# Allegro board CHIP_v1_0_20151123.brd (continued)
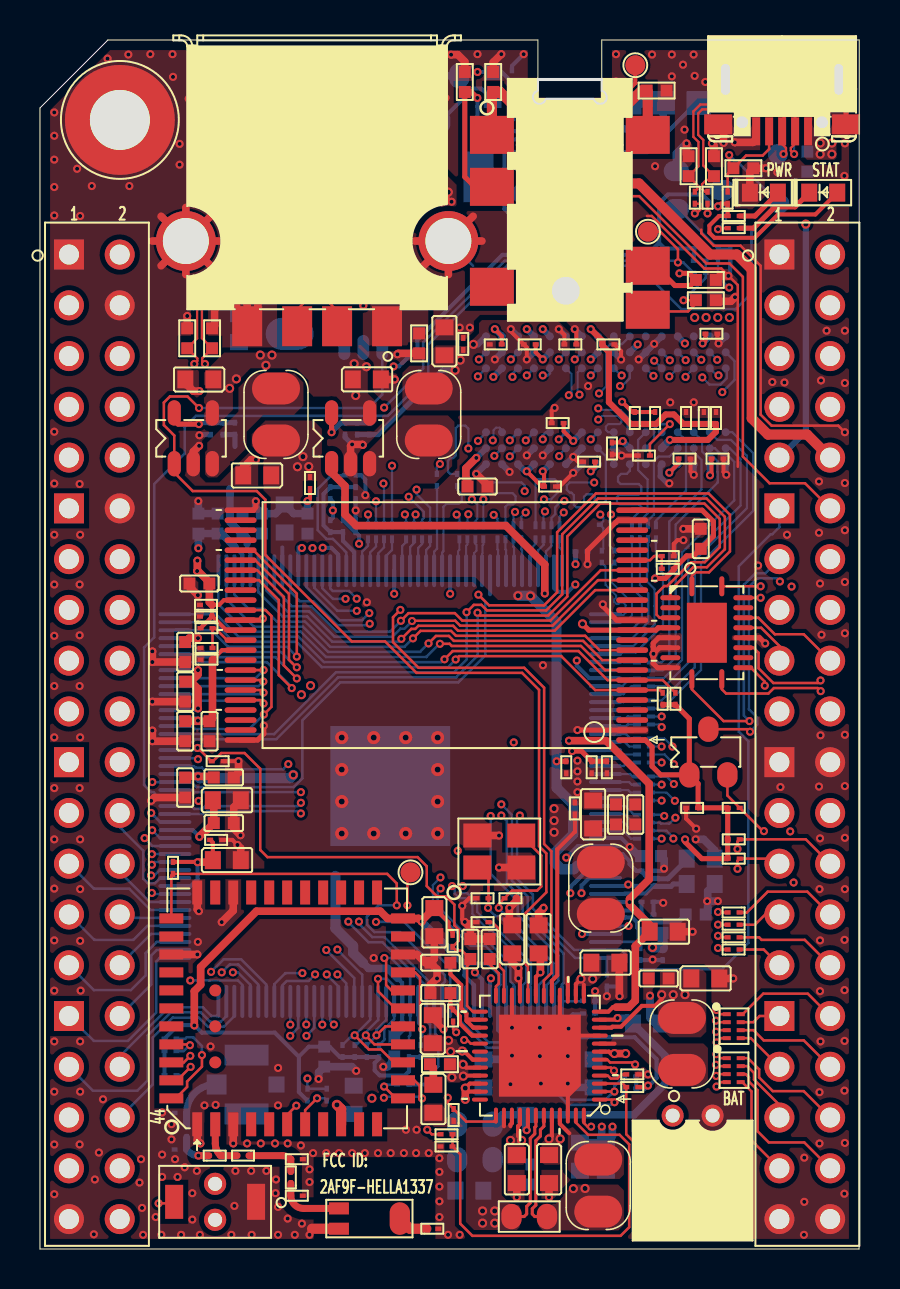
[diagram p0: board, top side]
## Footprints (pads in the part's own frame, mm; a bottom-side part is the same pattern mirrored in y, then rotated) (continued)
  rect 6x6 smd: 177(0,0)
TSOP-48H1_2A
  oval 0.28x1.6 smd: 1(-5.75,-9.8) 2(-5.25,-9.8) 3(-4.75,-9.8) 4(-4.25,-9.8) 5(-3.75,-9.8) 6(-3.25,-9.8) 7(-2.75,-9.8) 8(-2.25,-9.8) 9(-1.75,-9.8) 10(-1.25,-9.8) 11(-0.75,-9.8) 12(-0.25,-9.8) 13(0.25,-9.8) 14(0.75,-9.8) 15(1.25,-9.8) 16(1.75,-9.8) 17(2.25,-9.8) 18(2.75,-9.8) 19(3.25,-9.8) 20(3.75,-9.8) 21(4.25,-9.8) 22(4.75,-9.8) 23(5.25,-9.8) 24(5.75,-9.8) 25(5.75,9.8) 26(5.25,9.8) 27(4.75,9.8) 28(4.25,9.8) 29(3.75,9.8) 30(3.25,9.8) 31(2.75,9.8) 32(2.25,9.8) 33(1.75,9.8) 34(1.25,9.8) 35(0.75,9.8) 36(0.25,9.8) 37(-0.25,9.8) 38(-0.75,9.8) 39(-1.25,9.8) 40(-1.75,9.8) 41(-2.25,9.8) 42(-2.75,9.8) 43(-3.25,9.8) 44(-3.75,9.8) 45(-4.25,9.8) 46(-4.75,9.8) 47(-5.25,9.8) 48(-5.75,9.8)
USB-MIC-A01SB141BH2_4A
  round 0.6 hole 0.6 unplated: (-2,-4.3) (2,-4.3)
  rect 0.4x1.4 smd: 1(1.3,-4.75) 2(0.65,-4.75) 3(0,-4.75) 4(-0.65,-4.75) 5(-1.3,-4.75)
  oval 0.95x2.1 hole 0.45x1.55: 8(-2.835,-2.15) 9(2.835,-2.15)
  rect 1.4x1 smd: 10(-3.2,-4.4) 11(3.2,-4.4)
  rect 1.9x1.9 smd: 12(-1.2,-2.15) 13(1.2,-2.15)
USB_AF-011Z_45H5_2A
  rect 1.5x2 smd: 1(3.5,-14) 2(1,-14) 3(-1,-14) 4(-3.5,-14)
  round 3 hole 2.3: 5(-6.57,-9.737) 6(6.57,-9.737)
WIFI-1206
  rect 1x0.6 smd: 1(-1.524,0.508) 2(-1.524,-0.508)
  oval 1.016x1.626 smd: 3(1.524,0)
WIFI-ANT-SD73412-011H1_3A
  rect 1x1 smd: 1(0,-1.5)
  rect 0.8x0.8 smd: 2(0,1.5)
  rect 1.05x2.2 smd: 3(1.475,0) 4(-1.475,0)

## Nets
AVCC: C25.1 U1.81(AVCC) U3.12(LDO2) U4.1(EN)
GND: ANT1.2 ANT2.3 ANT2.4 C1.1 C5.1 C10.2 C11.2 C12.2 C13.1 C14.2 C15.2 C16.2 C17.2 C18.2 C19.2 C20.2 C21.2 C22.1 C24.2 C25.2 C26.1 C27.1 C28.1 C29.2 C32.2 C33.1 C34.1 C35.1 C36.1 C37.1 C45.1 C47.2 C48.2 C49.1 C50.2 C51.2 C52.2 C55.1 C56.1 C58.1 C59.1 C60.2 C64.1 C65.1 C66.1 C68.2 C69.2 C70.2 C71.2 C72.2 C74.2 C75.2 C76.2 C77.2 C83.1 C84.2 C90.2 C91.2 C92.2 C93.2 C94.2 C95.2 C96.2 C102.2 C103.2 C104.2 C105.2 C106.2 C142.1 C145.1 C146.2 C148.2 C149.2 C150.2 C151.2 C152.1 C153.2 C154.2 C157.2 C158.1 C159.1 C160.1 C161.1 C165.1 C166.1 C167.1 C168.1 C169.1 C170.1 C172.1 C173.1 C174.1 C175.1 C176.1 C177.1 C178.2 C179.2 C180.2 C181.2 C182.2 C183.2 C184.2 C185.2 C186.2 C188.1 C189.1 C190.1 C191.1 C192.1 C193.1 C194.1 C295.1 C296.2 C297.1 C298.1 C299.2 D1.2(CATHODE) D18.1 ESD11.2(CATHODE) ESD12.2(CATHODE) ESD13.2(CATHODE) ESD14.2(CATHODE) ESD15.2(CATHODE) ESD16.2(CATHODE) ESD18.2(CATHODE) ESD33.1(ANODE) ESD34.1(ANODE) ESD35.1(ANODE) ESD36.1(ANODE) ESD37.1(ANODE) ESD38.2(CATHODE) J1.2 J4.5(GND) J4.8(SHIELD3) J4.9(SHIELD4) J4.10(SHIELD5) J4.11(SHIELD6) J4.12 J4.13 J5.4(GND) J5.5(SHIELD6) J5.6(SHIELD1) NSR5.2 OR4.1 Q4.2(E) R12.1 R13.1 R14.1 R20.2 R57.1 R60.2 R71.1 R74.1 R75.1 R78.1 R90.1 R91.1 R94.1 R105.2 R121.1 R122.1 SW1.1 TP3.1(TP) U1.79(AGND) U1.177(GND) U3.9(PGND2) U3.16(PGND3) U3.22(AGND) U3.46(PGND1) U3.49(THERMAL) U4.2(GND) U9.1(GND1) U9.3(GND2) U9.20(GND3) U9.31(GND4) U9.33(GND5) U9.36(GND6) U10.2(GND) U11.2(GND) U12.2(GND) U13.1 U13.4 U13.12 U13.39 U14.1 U14.21 U14.22 U14.39 U14.40 U15.2(GND) U27.6(A0) U27.7(A1) U27.9(A2) U27.15(GND) U29.A9(VSS#9) U29.B1(VSSQ#1) U29.B3(VSS#6) U29.B9(VSSQ#7) U29.D1(VSSQ#2) U29.D8(VSSQ#5) U29.E1(VSS#1) U29.E2(VSSQ#4) U29.E8(VSSQ#6) U29.F9(VSSQ#8) U29.G1(VSSQ#3) U29.G8(VSS#7) U29.G9(VSSQ#9) U29.J2(VSS#5) U29.J8(VSS#8) U29.L2(CS#) U29.M1(VSS#2) U29.M9(VSS#10) U29.P1(VSS#3) U29.P9(VSS#11) U29.T1(VSS#4) U29.T9(VSS#12) U30.2(NC2) U30.13(VSS1) U30.23(NC8) U30.25(NC10) U30.36(VSS2) U30.48(NC22) X1.2(GND#2) X1.4(GND#4)
VBAT-EXT: C9.1 C11.1 L2.1 R7.2 R80.2 U3.43(CHSENSE)
VCC-1V8: C76.1 U3.19(GPIO0/LDO) U13.7
VCC-5V: C77.1 C146.1 D16.2 R54.2 U10.5(IN) U13.3 U14.2 U15.5(IN)
VCC-WIFI: C45.2 R80.1 R81.1 U9.9(VBAT)
VINT: C24.1 U3.26(VINT) U3.27(LDO1SET)
A0: RN27.8(R8) U29.N3(A0)
A1: RN25.6(R6) U29.P7(A1)
A2: RN28.6(R6) U29.P3(A2)
A3: RN28.5(R5) U29.N2(A3)
A4: RN25.5(R5) U29.P8(A4)
A5: RN28.7(R7) U29.P2(A5)
A6: RN25.7(R7) U29.R8(A6)
A7: RN29.7(R7) U29.R2(A7)
A8: RN25.8(R8) U29.T8(A8)
A9: RN29.5(R5) U29.R3(A9)
A10: RN24.6(R6) U29.L7(A10)
A11: RN26.5(R5) U29.R7(A11)
A12: RN24.8(R8) U29.N7(A12)
A13: RN28.8(R8) U29.T3(A13)
A14: RN26.6(R6) U29.T7(A14)
AP-EINT1: U1.154(PG1) U14.23
AP-EINT2: R63.2 R87.1 U1.155(PG0) U27.1(INT)
AP-EINT3: R62.2 U1.150(PB3) U14.24
AP-UART1-CTS: R58.2 U1.14(PG11) U9.41(UART_RTS_N)
AP-UART1-RTS: R59.2 U1.15(PG12) U9.44(UART_CTS_N)
AP-UART1-RX: R55.2 U1.13(PG10) U9.42(UART_TXD)
AP-UART1-TX: R56.2 U1.12(PG9) U9.43(UART_RXD)
AP-WAKE-BT: R11.1 U3.3(GPIO3) U9.6(BT_WAKE)
BA0: RN27.7(R7) U29.M2(BA0)
BA1: RN24.7(R7) U29.N8(BA1)
BA2: RN27.6(R6) U29.M3(BA2)
BAT: C9.2 C12.1 C27.2 ESD38.1(ANODE) J1.1 R7.1 U3.38(BAT1) U3.39(BAT2) U3.42(BATSENSE) U13.8
BT-RST-N: R65.1 U1.104(PB4) U9.34(BT_RST_N)
CAS: RN26.8(R8) U29.K3(CAS#)
CHG-IN: R9.2 U3.32(ACIN1) U3.33(ACIN2) U13.2
CKE: RN24.5(R5) U29.K9(CKE)
COREVDD: C19.1 C20.1 C149.1 C150.1 C153.1 C154.1 C296.1 C299.1 L4.1 U1.35(VDD1_INT) U1.73(VDD2_INT) U1.98(VDD3_INT) U1.109(VDD4_INT) U1.149(VDD5_INT) U3.17(DCDC3)
CPUVDD: C14.1 C15.1 C178.1 C179.1 C180.1 C181.1 C182.1 C183.1 C184.1 C185.1 C186.1 L3.1 U1.4(VDD1_CPU) U1.9(VDD2_CPU) U1.11(VDD3_CPU) U1.16(VDD4_CPU) U1.156(VDD5_CPU) U1.164(VDD6_CPU) U1.169(VDD7_CPU) U1.173(VDD8_CPU) U3.10(DCDC2)
CSI-D0: RN1.2(R2) U1.118(PE4)
CSI-D1: RN1.1(R1) U1.119(PE5)
CSI-D2: RN1.4(R4) U1.120(PE6)
CSI-D3: RN1.3(R3) U1.121(PE7)
CSI-D4: RN2.2(R2) U1.122(PE8)
CSI-D5: RN2.1(R1) U1.123(PE9)
CSI-D6: RN2.4(R4) U1.124(PE10)
CSI-D7: RN2.3(R3) U1.125(PE11)
CSI-HSYNC: R40.1 U1.116(PE2)
CSI-MCLK: R43.2 U1.115(PE1)
CSI-PCLK: R41.1 U1.114(PE0)
CSI-VSYNC: R39.1 U1.117(PE3)
CSICK: R43.1 U14.28
CSID0: RN1.7(R7) U14.31
CSID1: RN1.8(R8) U14.32
CSID2: RN1.5(R5) U14.33
CSID3: RN1.6(R6) U14.34
CSID4: RN2.7(R7) U14.35
CSID5: RN2.8(R8) U14.36
CSID6: RN2.5(R5) U14.37
CSID7: RN2.6(R6) U14.38
CSIHSYNC: R40.2 U14.29
CSIPCK: R41.2 U14.27
CSIVSYNC: R39.2 U14.30
DM0: R84.2 U1.93(UDM0)
DM1: ESD15.1(ANODE) J5.2(D-) U1.95(UDM1)
DP0: R85.2 U1.94(UDP0)
DP1: ESD18.1(ANODE) J5.3(D+) U1.96(UDP1)
DQ0: RN21.8(R8) U29.E3(DQL0)
DQ1: RN20.5(R5) U29.F7(DQL1)
DQ2: RN21.7(R7) U29.F2(DQL2)
DQ3: RN20.6(R6) U29.F8(DQL3)
DQ4: RN21.5(R5) U29.H3(DQL4)
DQ5: RN20.8(R8) U29.H8(DQL5)
DQ6: RN21.6(R6) U29.G2(DQL6)
DQ7: RN20.7(R7) U29.H7(DQL7)
DQ8: RN22.6(R6) U29.D7(DQU0)
DQ9: RN23.6(R6) U29.C3(DQU1)
DQ10: RN22.8(R8) U29.C8(DQU2)
DQ11: RN23.5(R5) U29.C2(DQU3)
DQ12: RN22.5(R5) U29.A7(DQU4)
DQ13: RN23.7(R7) U29.A2(DQU5)
DQ14: RN22.7(R7) U29.B8(DQU6)
DQ15: RN23.8(R8) U29.A3(DQU7)
DRAM-REF: C81.1 C83.2 C95.1 C96.1 R90.2 R416.1 U29.H1(VREFDQ) U29.M8(VREFCA)
DRAM-VCC: C33.2 C34.2 C36.2 C72.1 C73.1 C74.1 C81.2 C82.1 C90.1 C91.1 C92.1 C93.1 C94.1 C102.1 C103.1 C104.1 C105.1 C106.1 C142.2 C298.2 L6.1 R15.2 R89.2 R416.2 U1.23(VCC1_DRAM) U1.30(VCC2_DRAM) U1.43(VCC3_DRAM) U1.53(VCC4_DRAM) U1.62(VCC5_DRAM) U29.A1(VDDQ#1) U29.A8(VDDQ#6) U29.B2(VDD#3) U29.C1(VDDQ#2) U29.C9(VDDQ#9) U29.D2(VDDQ#4) U29.D9(VDD#7) U29.E9(VDDQ#8) U29.F1(VDDQ#3) U29.G7(VDD#5) U29.H2(VDDQ#5) U29.H9(VDDQ#7) U29.K2(VDD#4) U29.K8(VDD#6) U29.N1(VDD#1) U29.N9(VDD#8) U29.R1(VDD#2) U29.R9(VDD#9)
DSCK: C109.2 R422.1 U29.J7(CK)
DSCK-N: C109.1 R68.1 U29.K7(CK#)
EARCON: ESD37.2(CATHODE) J11.1 TP9.1(TP)
EARMIC: C54.2 C294.1 R192.2 TP8.1(TP)
EXTEN: U3.20(EXTEN) U11.4(EN) U12.1(EN)
FEL: U1.157(UBOOT) U14.7
HPBP: C177.2 C297.2 U1.75(HPBP)
HPCOM: U1.77(HPCOM) U14.6
HPL: C79.1 R101.1 U1.74(HPOUTL) U14.4
HPR: C78.1 R100.1 U1.78(HPOUTR) U14.8
HPVCC: C49.2 C50.1 C67.1 C69.1 C70.1 C145.2 C157.1 C158.2 C159.2 C160.2 C161.2 C172.2 C189.2 C190.2 C191.2 C192.2 C193.2 D2.1(ANODE) D18.2 L5.1 NSR3.1 NSR4.1 Q11.1(GATE) R1.1 R2.1 R3.1 R4.1 R6.1 R8.2 R10.2 R11.2 R17.2 R18.1 R48.1 R49.1 R50.1 R51.1 R52.1 R53.1 R55.1 R56.1 R58.1 R59.1 R65.2 R66.2 R70.2 R79.2 R86.2 R87.2 R88.2 R130.1 R131.1 R206.1 U1.5(VCC1) U1.76(V33_HP) U1.97(V33_USB) U1.100(VCC2) U1.142(VCC3) U1.163(VCC4) U9.22(VDDIO) U13.5 U14.9 U27.5(VCC) U30.1(RES#) U30.12(VCC1) U30.24(NC9) U30.34(NC15) U30.37(VCC2) U30.39(NC17)
IPSOUT: C10.1 C13.2 C16.1 C21.1 C29.1 C32.1 C68.1 C71.1 C75.1 L8.1 U3.7(VIN2) U3.13(LDO24IN) U3.14(VIN3) U3.21(APS) U3.34(PS1) U3.35(PS2) U3.40(LDO3IN) U3.44(VIN1) U4.4(IN) U11.5(IN) U12.4(IN)
LCD-CLK: U1.129(PD24) U13.35
LCD-D2: U1.148(PD2) U13.17
LCD-D3: U1.147(PD3) U13.20
LCD-D4: U1.146(PD4) U13.19
LCD-D5: U1.145(PD5) U13.22
LCD-D6: U1.144(PD6) U13.21
LCD-D7: U1.143(PD7) U13.24
LCD-D10: U1.141(PD10) U13.23
LCD-D11: U1.140(PD11) U13.26
LCD-D12: U1.139(PD12) U13.25
LCD-D13: U1.138(PD13) U13.28
LCD-D14: U1.137(PD14) U13.27
LCD-D15: U1.136(PD15) U13.30
LCD-D18: U1.135(PD18) U13.29
LCD-D19: U1.134(PD19) U13.32
LCD-D20: U1.133(PD20) U13.31
LCD-D21: U1.132(PD21) U13.34
LCD-D22: U1.131(PD22) U13.33
LCD-D23: U1.130(PD23) U13.36
LCD-DE: U1.128(PD25) U13.40
LCD-HSYNC: U1.127(PD26) U13.38
LCD-VSYNC: U1.126(PD27) U13.37
LDO3: C28.2 C66.2 R81.2 U3.11(LDO4) U3.41(LDO3)
LED-STATUS: R10.1 R103.2 U3.5(GPIO2)
LRADC: C165.2 U1.86(LRADC) U14.11
MICIN1: C54.1 U1.84(MICIN1) U14.12
MICM: C164.1 C294.2 ESD33.2(CATHODE) J11.5 R122.2 U14.10
NALE: U1.7(PC1) U30.17(ALE)
NCE0-N: U1.2(PC4) U30.9(CE1#)
NCE1-N: U1.3(PC3) U30.10(CE2#)
NCLE: U1.6(PC2) U30.16(CLE)
ND0: U1.174(PC8) U30.29(IO0)
ND1: U1.172(PC9) U30.30(IO1)
ND2: U1.171(PC10) U30.31(IO2)
ND3: U1.170(PC11) U30.32(IO3)
ND4: U1.168(PC12) U30.41(IO4)
ND5: U1.167(PC13) U30.42(IO5)
ND6: U1.166(PC14) U30.43(IO6)
ND7: U1.165(PC15) U30.44(IO7)
NDQS: U1.162(PC19) U30.35(NC16)
NMI-N: R16.1 U1.158(NMI_N) U3.48(IRQ)
NRB0-N: R131.2 U1.176(PC6) U30.7(RB1#)
NRB1-N: R130.2 U1.175(PC7) U30.6(RB2#)
NRE-N: U1.1(PC5) U30.8(RE#)
NWE-N: U1.8(PC0) U30.18(WE#)
NWP-N: C194.2 NSR3.2 U30.19(WP#)
ODT: RN29.8(R8) U29.K1(ODT)
OSC24MI: C1.2 U1.92(X24MIN) X1.1(XIN)
OSC24MO: C5.2 U1.91(X24MOUT) X1.3(XOUT)
PG4: Q11.2(SOURCE) R206.2 U1.151(PG4)
PMU-GPIO1: R414.1 TP7.1(TP) U3.18(GPIO1)
POWER-ON: R83.2 SW1.2 U13.10
PWM0: U1.103(PB2) U13.18
RAS: RN26.7(R7) U29.J3(RAS#)
RESET-N: C37.2 C166.2 R17.1 U1.159(RESET_N) U3.25(PWROK)
RST: RN29.6(R6) U29.T2(RESET)
RTCVDD: C22.2 R16.2 U3.28(LDO1)
SA0: RN27.1(R1) U1.64(DDR3_A0/DDR2_BA1)
SA1: RN25.3(R3) U1.52(DDR3_A1/DDR2_A2)
SA2: RN28.3(R3) U1.66(DDR3_A2/DDR2_A1)
SA3: RN28.4(R4) U1.65(DDR3_A3/DDR2_BA0)
SA4: RN25.4(R4) U1.51(DDR3_A4/DDR2_A0)
SA5: RN28.2(R2) U1.67(DDR3_A5/DDR2_A10)
SA6: RN25.2(R2) U1.54(DDR3_A6/DDR2_A4)
SA7: RN29.2(R2) U1.71(DDR3_A7/DDR2_A7)
SA8: RN25.1(R1) U1.55(DDR3_A8/DDR2_A6)
SA9: RN29.4(R4) U1.69(DDR3_A9/DDR2_A3)
SA10: RN24.3(R3) U1.48(DDR3_A10/DDR2_RAS)
SA11: RN26.4(R4) U1.56(DDR3_A11/DDR2_A8)
SA12: RN24.1(R1) U1.50(DDR3_A12/DDR2_CAS)
SA13: RN28.1(R1) U1.68(DDR3_A13/DDR2_A5)
SA14: RN26.3(R3) U1.57(DDR3_A14/DDR2_A14)
SBA0: RN27.2(R2) U1.63(DDR3_BA0/DDR2_BA2)
SBA1: RN24.2(R2) U1.49(DDR3_BA1/DDR2_CS)
SBA2: RN27.3(R3) U1.61(DDR3_BA2/DDR2_WE)
SCAS: RN26.1(R1) U1.59(DDR3_CAS/DDR2_A13)
SCK: R422.2 U1.45(DDR3_CK/DDR2_CK)
SCK-N: R68.2 U1.46(DDR3_CK_N/DDR2_CK_N)
SCKE: RN24.4(R4) U1.47(DDR3_CKE/DDR2_ODT)
SDQ0: RN21.1(R1) U1.22(DDR3_D0/DDR2_D6)
SDQ1: RN20.4(R4) U1.40(DDR3_D1/DDR2_D7)
SDQ2: RN21.2(R2) U1.21(DDR3_D2/DDR2_D1)
SDQ3: RN20.3(R3) U1.41(DDR3_D3/DDR2_D0)
SDQ4: RN21.4(R4) U1.19(DDR3_D4/DDR2_D4)
SDQ5: RN20.1(R1) U1.44(DDR3_D5/DDR2_D5)
SDQ6: RN21.3(R3) U1.20(DDR3_D6/DDR2_D3)
SDQ7: RN20.2(R2) U1.42(DDR3_D7/DDR2_D2)
SDQ8: RN22.3(R3) U1.37(DDR3_D8/DDR2_D8)
SDQ9: RN23.3(R3) U1.25(DDR3_D9/DDR2_D11)
SDQ10: RN22.1(R1) U1.39(DDR3_D10/DDR2_D13)
SDQ11: RN23.4(R4) U1.24(DDR3_D11/DDR2_D12)
SDQ12: RN22.4(R4) U1.36(DDR3_D12/DDR2_D15)
SDQ13: RN23.2(R2) U1.26(DDR3_D13/DDR2_D9)
SDQ14: RN22.2(R2) U1.38(DDR3_D14/DDR2_D10)
SDQ15: RN23.1(R1) U1.27(DDR3_D15/DDR2_D14)
SDQM0: R420.1 U1.29(DDR3_DM0/DDR2_DM0)
SDQM1: R421.1 U1.28(DDR3_DM1/DDR2_DM1)
SDQS0: RN30.8(R8) U1.31(DDR3_DQS0/DDR2_DQS0)
SDQS0-N: RN30.7(R7) U1.32(DDR3_DQS0_N/DDR2_DQS0_N)
SDQS1: RN30.6(R6) U1.33(DDR3_DQS1/DDR2_DQS1)
SDQS1-N: RN30.5(R5) U1.34(DDR3_DQS1_N/DDR2_DQS1_N)
SODT: RN29.1(R1) U1.72(DDR3_ODT/DDR2_A12)
SRAS: RN26.2(R2) U1.58(DDR3_RAS/DDR2_A11)
SRST: RN29.3(R3) U1.70(DDR3_RST/DDR2_A9)
SVREF: C82.2 C84.1 C295.2 R89.1 R91.2 U1.18(SVREF)
SWE: RN27.4(R4) U1.60(DDR3_WE/DDR2_CKE)
SZQ: R94.2 U1.17(DZQ)
TPX1: C173.2 U1.89(TPX1) U13.13
TPX2: C174.2 U1.87(TPX2) U13.14
TPY1: C175.2 U1.90(TPY1) U13.15
TPY2: C176.2 U1.88(TPY2) U13.16
TS: R12.2 U3.37(TS) U13.6
TV-OUT: C53.2 C56.2 D18.3 L9.2 TP10.1(TP)
TVOUT: C53.1 C55.2 L9.1 R60.1 U1.99(TVOUT)
TWI0-SCK: R4.2 U1.101(PB0) U3.2(SCK)
TWI0-SDA: R1.2 U1.102(PB1) U3.1(SDA)
TWI1-SCK: R3.2 U1.105(PB15) U13.11
TWI1-SDA: R2.2 U1.106(PB16) U13.9
TWI2-SCK: R6.2 U1.161(PB17) U14.26 U27.2(SCL)
TWI2-SDA: R18.2 U1.160(PB18) U14.25 U27.4(SDA)
UART1-RX: Q11.3(DRAIN) U14.5
UART1-TX: U1.152(PG3) U14.3
USB0-DRV: R74.2 U1.10(PB10) U3.6(N_VBUSEN) U10.4(EN)
USB0-IDDET: ESD11.1(ANODE) J4.4(ID) R70.1 TP18.1(TP) U1.153(PG2)
USBVBUS: C18.1 C58.2 ESD14.1(ANODE) J4.1(VBUS) R82.2 U3.31(VBUS) U10.1(OUT)
VMIC: R113.2 TP4.1(TP) U1.85(VMIC)
VPS: NSR4.2 NSR5.1 U30.38(VSS3)
VRA1: C164.2 U1.83(VRA1)
VRA2: C169.2 C170.2 R121.2 U1.82(VRA2)
VRP: C167.2 C168.2 U1.80(VRP)
WE: RN27.5(R5) U29.L3(WE)
WL-PMU-EN: R66.1 U9.12(WL_REG_ON)
WL-SDIO-CLK: R50.2 U1.110(PF2) U9.17(SDIO_DATA_CLK)
WL-SDIO-CMD: R51.2 U1.111(PF3) U9.16(SDIO_DATA_CMD)
WL-SDIO-D0: R49.2 U1.108(PF1) U9.18(SDIO_DATA_0)
WL-SDIO-D1: R48.2 U1.107(PF0) U9.19(SDIO_DATA_1)
WL-SDIO-D2: R53.2 U1.113(PF5) U9.14(SDIO_DATA_2)
WL-SDIO-D3: R52.2 U1.112(PF4) U9.15(SDIO_DATA_3)
XIO-P0: U14.13 U27.10(P0)
XIO-P1: U14.14 U27.11(P1)
XIO-P2: U14.15 U27.12(P2)
XIO-P3: U14.16 U27.14(P3)
XIO-P4: U14.17 U27.16(P4)
XIO-P5: U14.18 U27.17(P5)
XIO-P6: U14.19 U27.19(P6)
XIO-P7: U14.20 U27.20(P7)
N17860831: C47.1 R45.2 R46.1
N17860849: R46.2 R47.2 U9.2(WL_BT_ANT)
N18486772: OR4.2 U15.3(ISET)
N18486828: C64.2 C65.2 ESD16.1(ANODE) J5.1(VBUS) U15.1(OUT)
N20314568: L4.2 U3.15(LX3)
N20314637: L2.2 U3.45(LX1)
N20314996: R13.2 U3.23(BIAS)
N20315137: L3.2 U3.8(LX2)
N20749703: R20.1 U3.4(N_OE)
N20819937: C26.2 U3.24(VREF)
N20828828: TP2.1(TP) U3.29(DC3SET)
N21691225: R420.2 U29.E7(DML)
N21691228: R421.2 U29.D3(DMU)
N21691595: R71.2 U29.L8(ZQ)
N21742219: RN30.1(R1) U29.F3(DQSL)
N21742222: RN30.2(R2) U29.G3(DQSL#)
N21748095: RN30.3(R3) U29.C7(DQSU)
N21748098: RN30.4(R4) U29.B7(DQSU#)
N21782572: ESD13.1(ANODE) J4.2(D-) R84.1 TP17.1(TP)
N21782578: ESD12.1(ANODE) J4.3(D+) R85.1 TP16.1(TP)
N21782617: R75.2 U10.3(ISET)
N21788871: R54.1 R57.2 U11.3(FB)
N21788878: D16.1 L8.2 U11.1(LX)
N21789427: C67.2 R78.2 R79.1 U12.5(FB)
N21789469: L5.2 U12.3(LX)
N21789937: C73.2 R14.2 R15.1 U4.5(FB)
N21789999: L6.2 U4.3(LX)
N21821091: R86.1 U15.4(EN)
N21824958: C152.2 Q4.1(B) R103.1
N21824970: Q4.3(C) R102.2
N21824972: D2.2(CATHODE) R102.1
N21891079: ANT1.3 C51.1
N21891194: ANT1.1 C48.1 R45.1
N21892133: C79.2 ESD36.2(CATHODE) J11.4 R105.1
N21892135: C78.2 ESD34.2(CATHODE) J11.2
N21892179: C151.1 R100.2
N21892181: C148.1 R101.2
N21892238: ESD35.2(CATHODE) J11.6 R88.1 R414.2
N21892272: C188.2 R113.1 R192.1
N21913519: ANT2.1 C60.1 R61.2
N21918802: C52.1 R47.1 R61.1
N21932331: C35.2 R83.1 U3.47(PWRON)
N21933125: R63.1 U9.7(BT_HOST_WAKE)
N21935584: R62.1 U9.13(WL_HOST_WAKE)
N203144570: C17.1 R9.1
N203145090: D1.1(ANODE) R8.1
N217827101: C59.2 R82.1

Pads without a net: ANT2 2; J11 3; U3 30 36; U9 4 5 8 10 11 21 23 24 25 26 27 28 29 30 32 35 37 38 39 40 45 46 47; U11 6; U27 3 8 13 18; U29 J1 J9 L1 L9 M7; U30 3 4 5 11 14 15 20 21 22 26 27 28 33 40 45 46 47

## Via types
v1: diameter 0.406, hole 0.203, TOP to BOTTOM, 645 vias
v2: diameter 0.457, hole 0.254, TOP to BOTTOM, 82 vias
v3: diameter 0.66, hole 0.305, TOP to BOTTOM, 13 vias

## Routing (per net, layer and track width the routed paths; a pad name or vN(x,y) marks a point on that pad's centre or on a via; arc(x,y) is an arc through that point)
AVCC: length 43.3
  TOP w0.203: U3.12 28.45,11.88 28.68,12.1 28.85,12.1
  TOP w0.381: v1(26.48,25.43) 28.34,25.43 30.5,23.28 30.5,18.5 29.51,17.52 v1(29.51,17.36) 29.51,17.23 30.52,16.22 C25.1 29.8,15.15 29.8,12.43 29.47,12.1 28.85,12.1 ; U4.1 14.6,38.85 15.27,38.18 15.27,36.75 15.83,36.2 23.32,36.2 25.27,34.25 v1(25.27,32.8)
  IN2 w0.381: v1(25.27,32.8) 25.84,32.23 25.84,26.08 v1(26.48,25.43)
  BOTTOM w0.203: v1(29.51,17.36) 28.31,17.36 U1.81
GND: length 629.8
  TOP w0.127: 34.93,39.14 34.93,48.23 34.1,49.06 33.25,49.06 30.62,51.69 30.38,51.69 ; v1(26.46,11.03) 26.45,11.03 26.45,11.07 ; v1(40.29,40.87) 39.96,41.2 36.62,41.2 36.07,41.75 36.07,49.2 35.07,50.2 33.73,50.2 33.1,50.83 33.1,51 ; v1(32.67,15.88) 32.67,15.88
  TOP w0.203: R20.2 v1(30.43,8.74) ; v1(13.39,37.43) 13.52,37.55 C69.2 ; C189.1 9.63,20.47 v1(9.89,20.22) ; v1(26.69,38.84) 26.01,38.15 C93.2 ; v1(21.26,16.37) 21.14,16.49 v1(21.14,17.17) 21.14,17.21 21.48,17.55 C1.1 ; C102.2 24.82,44.86 v1(25.17,44.51) ; U3.46 26.42,8.28 v1(26.42,8.28) ; v1(32.21,35.47) 31.91,35.47 31.72,35.28 C194.1 ; v1(26.77,46.03) 26.85,45.95 C91.2 ; R13.1 21.27,16.36 ; C191.1 32.34,21.53 v1(32.85,21.03) ; v1(26.69,39.64) 26.93,39.4 C105.2 ; U3.9 26.81,10.68 v1(26.46,11.03) 26.02,11.46 U3.16 ; U3.22 23.62,11.08 v1(23.63,11.07) ; v1(33.97,45.31) 33.91,45.37 C106.2 ; v1(22.77,46.03) 23.11,45.68 C90.2 ; C104.2 32.56,38.9 v1(32.73,38.74) ; v1(34.35,38.74) 34.21,38.88 C103.2 ; R71.1 v1(29.11,39.7) 29.06,39.76 C94.2 ; v1(29.09,44.51) 29.09,44.93 C96.2 ; C92.2 25.61,41.94 v1(25.76,42.09) ; v1(9.94,24.41) C166.1
  TOP w0.254: v1(26.9,25.97) U30.2 ; 30.69,29.79 v1(30.71,29.78) 31.01,30.09 U27.7 ; 30.69,29.79 30.69,29.8 30.7,29.8 30.7,30.13 30.69,30.13 30.69,30.31 30.97,30.59 U27.6 ; 30.69,29.79 30.69,29.79 30.69,29.64 30.7,29.63 30.7,29.3 30.91,29.09 U27.9 ; v1(10.81,37.41) 10.81,37.12 10.66,36.97 U30.25 ; v1(36.3,30.3) 36.02,30.59 U27.15 ; U30.13 28.86,31.47 28.17,32.16 v1(28.17,32.26) ; v1(11.16,31.55) 11.07,31.47 U30.36 ; v1(27.41,34.26) 27.41,34.95 28.82,36.36 28.83,36.36 28.94,36.47 U30.23 ; v1(11.21,26.19) 11.21,25.78 10.89,25.47 U30.48 ; J4.11 40.35,57.06 v1(40.29,57.12)
  TOP w0.305: C18.2 19.66,11.53 v1(20.2,10.99)
  TOP w0.381: C24.2 19.74,14.52 C50.2 ; C24.2 19.28,14.33 18.87,14.74 U9.20 ; C24.2 19.88,13.99 19.88,13.55 ; v1(5.63,25.94) v1(5.63,25.41) C160.1 ; v1(25.21,17.07) 25.21,17.05 24.96,16.81 C76.2 ; ESD13.2 32.36,54.78 v1(32.36,55.32) ; v1(9.83,47.5) 9.83,46.71 J5.4 ; v1(5.63,27.39) C181.2 ; v1(21.26,16.37) 21.54,16.09 C37.1 C26.1 ; ESD37.1 22.69,59.38 v1(23.09,59.78) ; J5.6 21.68,51.67 ; J5.6 20.44,48.76 ; J5.6 22.12,50.44 ; J5.6 19.21,49.2 ; J5.6 18.76,50.44 ; ESD18.2 8.74,46.19 v1(8.74,47.17) ; v1(10.37,47.5) J5.4 ; J5.4 10.91,46.71 v1(10.91,47.52) ; C142.1 22.4,38.23 v1(21.84,38.78) ; 7.3,48.76 J5.5 ; J5.5 8.54,51.67 ; J5.5 6.07,51.67 ; J5.5 6.07,49.2 ; J5.5 7.3,52.11 ; J5.5 8.54,49.2 ; J5.5 5.62,50.44 ; J5.5 8.98,50.44 ; v1(34.46,48.69) 34.03,48.69 ESD36.1 ; C22.1 19.54,13.22 19.88,13.55 ; U9.3 v1(9.67,5.28) ; v1(20.58,59.76) 20.92,59.76 21.26,59.41 ESD34.1 ; ESD35.1 33.88,47.42 34.59,47.42 v1(34.79,47.62) ; U9.33 7.87,16.99 v1(7.95,16.91) ; C68.2 7.28,43.32 7.68,42.93 v1(7.98,42.93) ; v1(29.01,12.65) 29,12.66 C21.2 ; C71.2 v1(17.76,43.51) ; ESD16.2 17.93,44.81 v1(17.89,44.77) ; C157.2 10.05,20.05 v1(9.89,20.22) ; v1(8.03,5.28) 7.87,5.44 U9.1 ; C184.2 5.73,22.59 v1(5.57,22.43) ; 19.88,13.55 v1(19.88,13.54) ; C70.2 10.17,39.1 10.57,39.5 v1(10.81,39.5) ; J4.12 35.95,59.66 v1(36.07,59.78) ; X1.4 v1(22.98,20.69) ; J4.13 v1(38.35,59.78) ; v1(34.22,55.35) 34.22,56 J4.10 ; v1(16.16,40.23) 16.13,40.26 v1(15.63,40.26) 15.55,40.18 U4.2 ; ESD12.2 33.74,55.22 v1(33.63,55.32) ; 32.67,15.88 C25.2 ; v1(7.9,32.72) 7.48,33.14 C159.1 ; v1(34.78,55.37) 35.69,55.37 35.85,55.53 J4.5 ; X1.2 v1(22.98,19.09) ; v1(32.21,36.03) C145.1 ; U9.36 v1(7.88,14.74) ; C29.2 23.5,16.33 v1(23.5,17.07) 23.85,17.42 C5.1 ; C185.2 9.94,23.83 v1(9.94,24.41) ; ESD15.2 v1(7.37,46.69) ; v1(9.1,16.36) 9.67,16.93 U9.31 ; D1.2 35.53,53.9 ESD11.2 v1(36.34,54.08) ; v1(25.48,2.59) C10.2 ; U12.2 7.68,39.9 v1(7.97,40.19) ; v1(10.04,20.7) 9.7,21.04 C296.2 9.7,22.1 C149.2 ; C14.2 v1(34.7,13.54) ; v1(5.63,29.9) v1(5.63,29.37) C183.2 ; v1(23.87,2.59) C32.2
  TOP w0.508: ANT1.2 13.62,1.02
  GND w0.381: 18.76,50.44 J5.6 ; J5.6 20.44,48.76 ; J5.6 19.21,51.67 ; J5.6 22.12,50.44 ; J5.6 21.68,51.67 ; J5.6 21.68,49.2 ; J5.6 19.21,49.2 ; J5.5 8.54,51.67 ; J5.5 5.62,50.44 ; J5.5 8.54,49.2 ; J5.5 8.98,50.44 ; J5.5 7.3,48.76 ; J5.5 6.07,51.67 ; J5.5 7.3,52.11 ; J5.5 6.07,49.2
  IN1 w0.127: v1(40.29,40.87) 39.2,40.87 38.23,41.83 38.23,45.24 37.19,46.28 36.62,46.28 36.07,46.83 36.07,47.88 35.26,48.69 v1(34.46,48.69) 33.16,48.69 30.84,51.01 30.84,51.83 28.92,53.76 25.93,53.76 25.79,53.62 v1(25.73,53.62) v1(24.85,53.62) 24.62,53.4 24.02,53.4 22.47,54.95 18.73,54.95 13.61,49.83 13.61,43.78 10.81,40.98 v1(10.81,39.5) v1(10.81,37.41) 10.81,34.27 17.55,27.53 27.55,27.53 28.47,26.61 28.47,21.88 27.59,21 27.59,17.7 27.28,17.4 26.4,17.4 25.95,17.85 25.95,19.75 26.17,19.96 26.17,21.59 26.9,22.33 v1(26.9,22.86) v1(26.9,23.39) v1(26.9,23.9) v1(26.9,24.43) 27.03,24.56 27.03,25.84 v1(26.9,25.97) 26.76,26.11 16.96,26.11 12.94,30.12 12.58,30.12 v1(11.16,31.55) ; v1(21.9,59.78) 21.47,59.35 21.47,58.98 20.88,58.39 17,58.39 16.55,57.94 15.36,57.94 14.08,56.66 v1(14.08,56.41) 14.08,55.59 v1(13.08,54.58) 13.08,54.3 9.11,50.34 9.11,47.54 v1(8.74,47.17) 5.88,44.3 5.88,31.21 7.58,29.51 7.92,29.51 8.44,28.99 8.44,24.76 8.89,24.31 8.89,22.05 9.89,21.06 v1(9.89,20.22) 12.38,17.72 18.5,17.72 19.88,16.35 v1(19.88,13.54) ; v1(31.2,17.32) 30.74,16.87 29.29,16.87 29.11,17.04 29.11,20.37 30.03,21.29 30.03,27.21 28.18,29.05 18.18,29.05 12.47,34.76 12.47,40.48 15.13,43.14 15.13,49.2 19.33,53.4 21.86,53.4 23.39,51.87 26.19,51.87 26.97,51.09 v1(28.6,51.09) 29.05,51.09 31.73,48.41 32.21,48.41 32.52,48.72 32.52,48.74 ; 21.8,13.39 21.87,13.39 22.17,13.68 22.17,14.96 21.26,15.86 v1(21.26,16.37) 20.41,17.22 19.83,17.22 18.71,18.34 13.43,18.34 9.48,22.29 9.48,24.55 9.03,25 9.03,29.29 8.22,30.1 7.82,30.1 6.46,31.46 6.46,43.58 10.37,47.49 v1(10.37,47.5) 10.74,47.87 10.74,51.03 14.86,55.16 14.86,56.44 15.61,57.18 16.77,57.18
  IN1 w0.381: J5.5 8.54,49.2 ; J5.5 5.62,50.44 ; J5.5 7.3,52.11 ; J5.5 8.98,50.44 ; J5.5 7.3,48.76 ; J5.5 6.07,51.67 ; J5.5 6.07,49.2 ; J5.5 8.54,51.67
  IN2 w0.127: 36.07,38.89 36.07,38.89 36.07,43.08
  IN2 w0.381: J5.6 22.12,50.44 ; J5.6 21.68,49.2 ; J5.6 19.21,49.2 ; J5.6 21.68,51.67 ; J5.6 20.44,48.76 ; J5.6 19.21,51.67 ; J5.6 18.76,50.44 ; J5.5 8.98,50.44 ; J5.5 6.07,49.2 ; J5.5 7.3,52.11 ; J5.5 7.3,48.76 ; J5.5 8.54,49.2 ; J5.5 5.62,50.44 ; J5.5 8.54,51.67 ; J5.5 6.07,51.67
  VCC w0.381: 6.07,51.67 J5.5 ; J5.5 8.98,50.44 ; J5.5 7.3,48.76 ; J5.5 8.54,51.67 ; J5.5 7.3,52.11 ; J5.5 8.54,49.2
  BOTTOM w0.127: 20.44,48.76 J5.6 ; J5.6 21.68,49.2 ; J5.6 21.68,51.67 ; J5.6 22.12,50.44 ; J5.6 19.21,49.2
  BOTTOM w0.203: v1(25.73,53.62) 25.73,53.92 25.53,54.13 C148.2 ; R74.1 R75.1 14.66,53.11 v1(14.56,53.01) ; C297.1 31.13,18.92 v1(31.24,19.03) ; C295.1 14.66,36.6 v1(14.66,36.96) 14.66,37.39 C84.2 ; C34.1 v1(15.8,36.96) R91.1 ; v1(28.38,12.65) C176.1 C174.1 v1(29.01,12.65) ; R94.1 16.08,38.71 16.29,38.51 v1(16.29,37.72) ; C152.1 34.55,48.78 v1(34.46,48.69) ; C151.2 24.31,54.28 24.85,53.75 v1(24.85,53.62) ; v1(31.2,17.32) 31.14,17.37 R121.1 C170.1 ; C56.1 24.03,55.93 v1(24.06,55.96) 24.23,56.13 R60.2 ; R122.1 30.69,14.46 v1(30.67,14.48) 30.64,14.46 30.18,14.46 ; v1(27.79,12.9) C173.1 C175.1 ; v1(10.72,53.04) C64.1 OR4.1 ; v1(24.21,59.78) 23.63,59.2 C55.1 ; U1.79 29.37,18.16 v1(29.44,18.24) 29.51,18.17 C168.1 ; C58.1 18.07,56.61 18.17,56.51 v1(18.17,56.51)
  BOTTOM w0.254: C33.1 v1(27.41,34.26) ; v1(15.63,40.26) 15.27,40.61 R14.1 ; v1(7.98,40.72) 8.01,40.75 R78.1 ; U29.M9 31.04,39.19 31.04,38.65 31.39,38.31 v1(31.5,38.31) ; v1(24.9,55.37) R105.2 ; R57.1 v1(15.73,49.33)
  BOTTOM w0.305: v1(23.51,38.88) 23.51,38.89 U29.B9 ; v1(29.11,39.7) 29.09,39.7 U29.J8 ; U29.E8 v1(25.17,39.71) ; U29.E2 v1(25.17,44.51) ; v1(34.35,38.74) 34.33,38.77 U29.T9 ; U29.F9 v1(26.69,39.64) U29.G8 ; v1(29.97,44.51) U29.L2 v1(30.75,45.29) U29.M1 ; U29.J2 v1(29.09,44.51) ; U29.A9 v1(21.84,38.78) ; v1(33.97,45.31) U29.T1 ; U29.D1 v1(24.37,46.03) ; U29.D8 v1(24.37,39.71) ; U29.G9 v1(26.69,38.84) ; U29.E1 v1(25.17,46.03) ; U29.G1 v1(26.77,46.03) ; U29.B3 v1(22.69,43.64) ; U29.P9 v1(32.73,38.74) ; U29.B1 v1(22.77,46.03)
  BOTTOM w0.381: v1(30.54,12.67) 30.54,11.56 30.81,11.28 C66.1 ; 33.42,17.41 v1(33.4,17.41) ; 33.42,17.41 v1(33.93,17.41) ; 33.42,17.41 33.42,17.09 33.42,17.08 33.42,16.84 C169.1 ; 33.42,17.41 33.42,17.91 C167.1 ; v1(18.95,59.78) 19.08,59.65 D18.1 ; v1(15.73,49.33) 15.73,49.02 16.18,48.56 U11.2 v1(16.18,47.2) ; Q4.2 31.86,54.81 v1(32.36,55.32) ; v1(10.81,37.41) 10.81,37.42 10.8,37.43 10.8,37.1 C180.2 11.79,36.8 C178.2 12.7,36.8 C182.2 v1(13.39,37.43) ; v1(31.24,19.03) 31.24,19.51 C154.2 ; 14.89,55.47 14.89,55.8 14.28,56.41 v1(14.08,56.41) v1(14.08,56.95) ; v1(13.95,8.51) 13.95,8.85 C49.1 15.62,9.13 v1(15.83,8.92) ; C12.2 28.12,5.53 v1(28.12,6.12) ; C12.2 C11.2 ; C12.2 28.66,5.65 v1(28.66,6.12) ; v1(32.82,20.5) 33.23,20.5 33.78,19.95 C177.1 ; 17.45,58.97 17.45,59.58 v1(17.66,59.78) ; 10.72,55.47 v1(10.72,56.44) v1(10.16,56.44) ; C150.2 17.73,9.46 17.4,9.12 v1(17.18,9.12) ; v1(9.83,47.5) 9.83,46.9 C75.2 10.15,46.78 10.37,47 v1(10.37,47.5) ; v1(18.75,56.51) 18.75,55.95 18.47,55.67 ; C13.1 23.44,9.49 v1(23.63,9.68) ; v1(25.07,8.28) 24.91,8.12 C28.1 ; v1(13.9,52.37) 13.75,52.53 C77.2 ; C188.1 v1(28.6,51.09) ; v1(7.93,37.42) 7.93,37.4 7.93,37.4 C186.2 C179.2 ; C65.1 v1(13.08,54.58) ; C16.2 26.61,8.09 v1(26.42,8.28)
  BOTTOM w0.508: C59.1 16.59,54.14 18.11,55.67 18.47,55.67
  vias: v1(0.72,56.87) v1(0.72,55.7) v1(0.72,54.51) v1(0.72,53.14) v1(0.72,51.71) v1(0.72,40.89) v1(0.72,38.3) v1(0.72,35.74) v1(0.72,33.25) v1(0.72,30.68) v1(0.72,28.17) v1(0.72,25.6) v1(0.72,23.06) v1(0.72,20.5) v1(0.72,18.03) v1(0.72,15.44) v1(0.72,12.93) v1(0.72,10.39) v1(0.72,7.87) v1(0.72,5.23) v1(0.72,2.74) v1(1.86,54.05) v1(1.99,38.28) v1(1.99,33.25) v1(1.99,30.71) v1(1.99,28.17) v1(1.99,23.06) v1(1.99,5.23) v1(2.01,51.69) v1(2.01,35.74) v1(2.01,25.6) v1(2.01,20.5) v1(2.01,18.01) v1(2.01,15.42) v1(2.04,12.93) v1(2.01,10.39) v1(2.01,7.87) v1(2.6,53.19) v1(2.7,0.74) v1(2.75,3.48) v1(2.95,4.83) v1(3.15,7.49) v1(3.38,59.56) v1(4.42,59.77) v1(4.47,53.19) v1(4.98,3.33) v1(5.06,4.5) v1(5.11,2.06) v1(5.16,0.71) v1(5.52,59.78) v1(5.8,1.6) v1(6.08,0.71) v1(6.11,6.83) v1(6.11,4.72) v1(6.11,3.61) v1(6.58,6.25) v1(6.58,5.49) v1(6.63,59.78) v1(6.66,58.65) v1(6.76,4.5) v1(6.89,3.61) v1(6.99,55.3) v1(6.99,54.25) v1(7.07,0.71) v1(7.24,4.09) v1(7.45,57.56) v1(7.62,2.79) v1(7.62,1.47) v1(7.73,59.78) v1(7.85,3.91) v1(7.9,15.37) v1(8.01,58.65) v1(8.01,0.71) v1(8.23,7.19) v1(8.34,56.24) v1(8.34,55.3) v1(8.34,54.25) v1(8.54,10.14) v1(8.79,7.21) v1(8.87,57.58) v1(8.95,59.78) v1(9.58,0.71) v1(9.71,59.11) v1(9.78,3.91) v1(9.73,2.16) v1(10.32,59.78) v1(10.37,5.28) v1(10.57,3.91) v1(10.6,0.71) v1(10.88,59.31) v1(11.05,5.28) v1(11.33,3.91) v1(11.61,59.78) v1(11.76,5.28) v1(11.79,2.79) v1(11.82,3.48) v1(11.92,9.06) v1(11.92,7.19) v1(11.92,2.11) v1(11.92,0.71) v1(12.4,5.28) v1(12.4,1.52) v1(12.76,0.71) v1(13.01,59.78) v1(13.06,5.18) v1(13.11,1.27) v1(13.49,3.99) v1(13.49,3.35) v1(13.49,0.71) v1(13.67,4.8) v1(14.33,4.8) v1(14.58,59.78) v1(14.97,4.8) v1(15.63,4.8) v1(16.1,59.78) v1(16.26,4.8) v1(16.36,32.36) v1(16.7,14.56) v1(16.92,4.8) v1(17.56,4.8) v1(18.22,4.8) v1(18.32,5.97) v1(18.52,57.59) v1(18.85,5.97) v1(18.83,4.8) v1(19.46,4.8) v1(19.99,4.55) v1(19.99,3.86) v1(19.99,3.12) v1(19.99,2.39) v1(19.99,1.6) v1(20.3,57.59) v1(20.43,0.71) v1(21.01,46.1) v1(21.01,0.71) v1(21.52,46.1) v1(23.55,8.25) v1(24.16,58.32) v1(25.02,11.07) v1(25.02,9.65) v1(25.2,50.77) v1(25.18,29.21) v1(26.42,9.65) v1(27.44,43.18) v1(28.83,59.78) v1(28.83,58.42) v1(29.14,52.04) v1(30.64,59.77) v1(30.66,0.71) v1(30.79,54.18) v1(31.55,42.36) v1(31.63,59.77) v1(31.63,58.67) v1(32.19,59.26) v1(32.26,56.01) v1(32.41,2.29) v1(32.41,0.71) v1(32.72,59.77) v1(32.77,58.7) v1(32.73,42.37) v1(33.3,58.39) v1(33.74,59.78) v1(33.81,2.29) v1(33.81,0.71) v1(34.95,59.78) v1(35.03,3.63) v1(35.36,2.29) v1(35.34,0.71) v1(35.95,34.2) v1(36.66,43.38) v1(36.91,53.87) v1(37.06,23.11) v1(37.24,59.78) v1(37.27,43.36) v1(37.39,35.74) v1(38.26,4.57) v1(38.26,2.36) v1(38.24,0.71) v1(38.99,38.4) v1(38.99,35.84) v1(38.99,23.14) v1(39.1,43.46) v1(39.04,33.3) v1(39.07,25.7) v1(39.04,20.55) v1(39.02,18.01) v1(39.04,15.44) v1(39.04,12.9) v1(39.07,10.39) v1(39.02,7.85) v1(39.02,5.28) v1(39.12,30.73) v1(39.37,45.95) v1(39.53,59.78) v1(40.29,55.32) v1(40.26,53.7) v1(40.29,45.95) v1(40.29,43.33) v1(40.29,38.33) v1(40.29,35.97) v1(40.29,33.38) v1(40.29,30.81) v1(40.29,25.73) v1(40.29,23.16) v1(40.29,20.57) v1(40.29,18.01) v1(40.27,15.47) v1(40.27,12.95) v1(40.27,10.41) v1(40.27,7.92) v1(40.29,5.31) v1(40.26,2.77) v3(15.11,25.59) v3(15.11,23.99) v3(15.11,22.39) v3(15.11,20.79) v3(16.71,25.59) v3(16.71,20.79) v3(18.31,25.59) v3(18.31,20.79) v3(19.91,25.59) v3(19.91,23.99) v3(19.91,22.39) v3(19.91,20.79)
